# Allegro board RK3576_TEMPLATE_LP4XD200P132SD6_24X34_2133MHz_H1R6_V11_20240529YWQ.brd (continued)
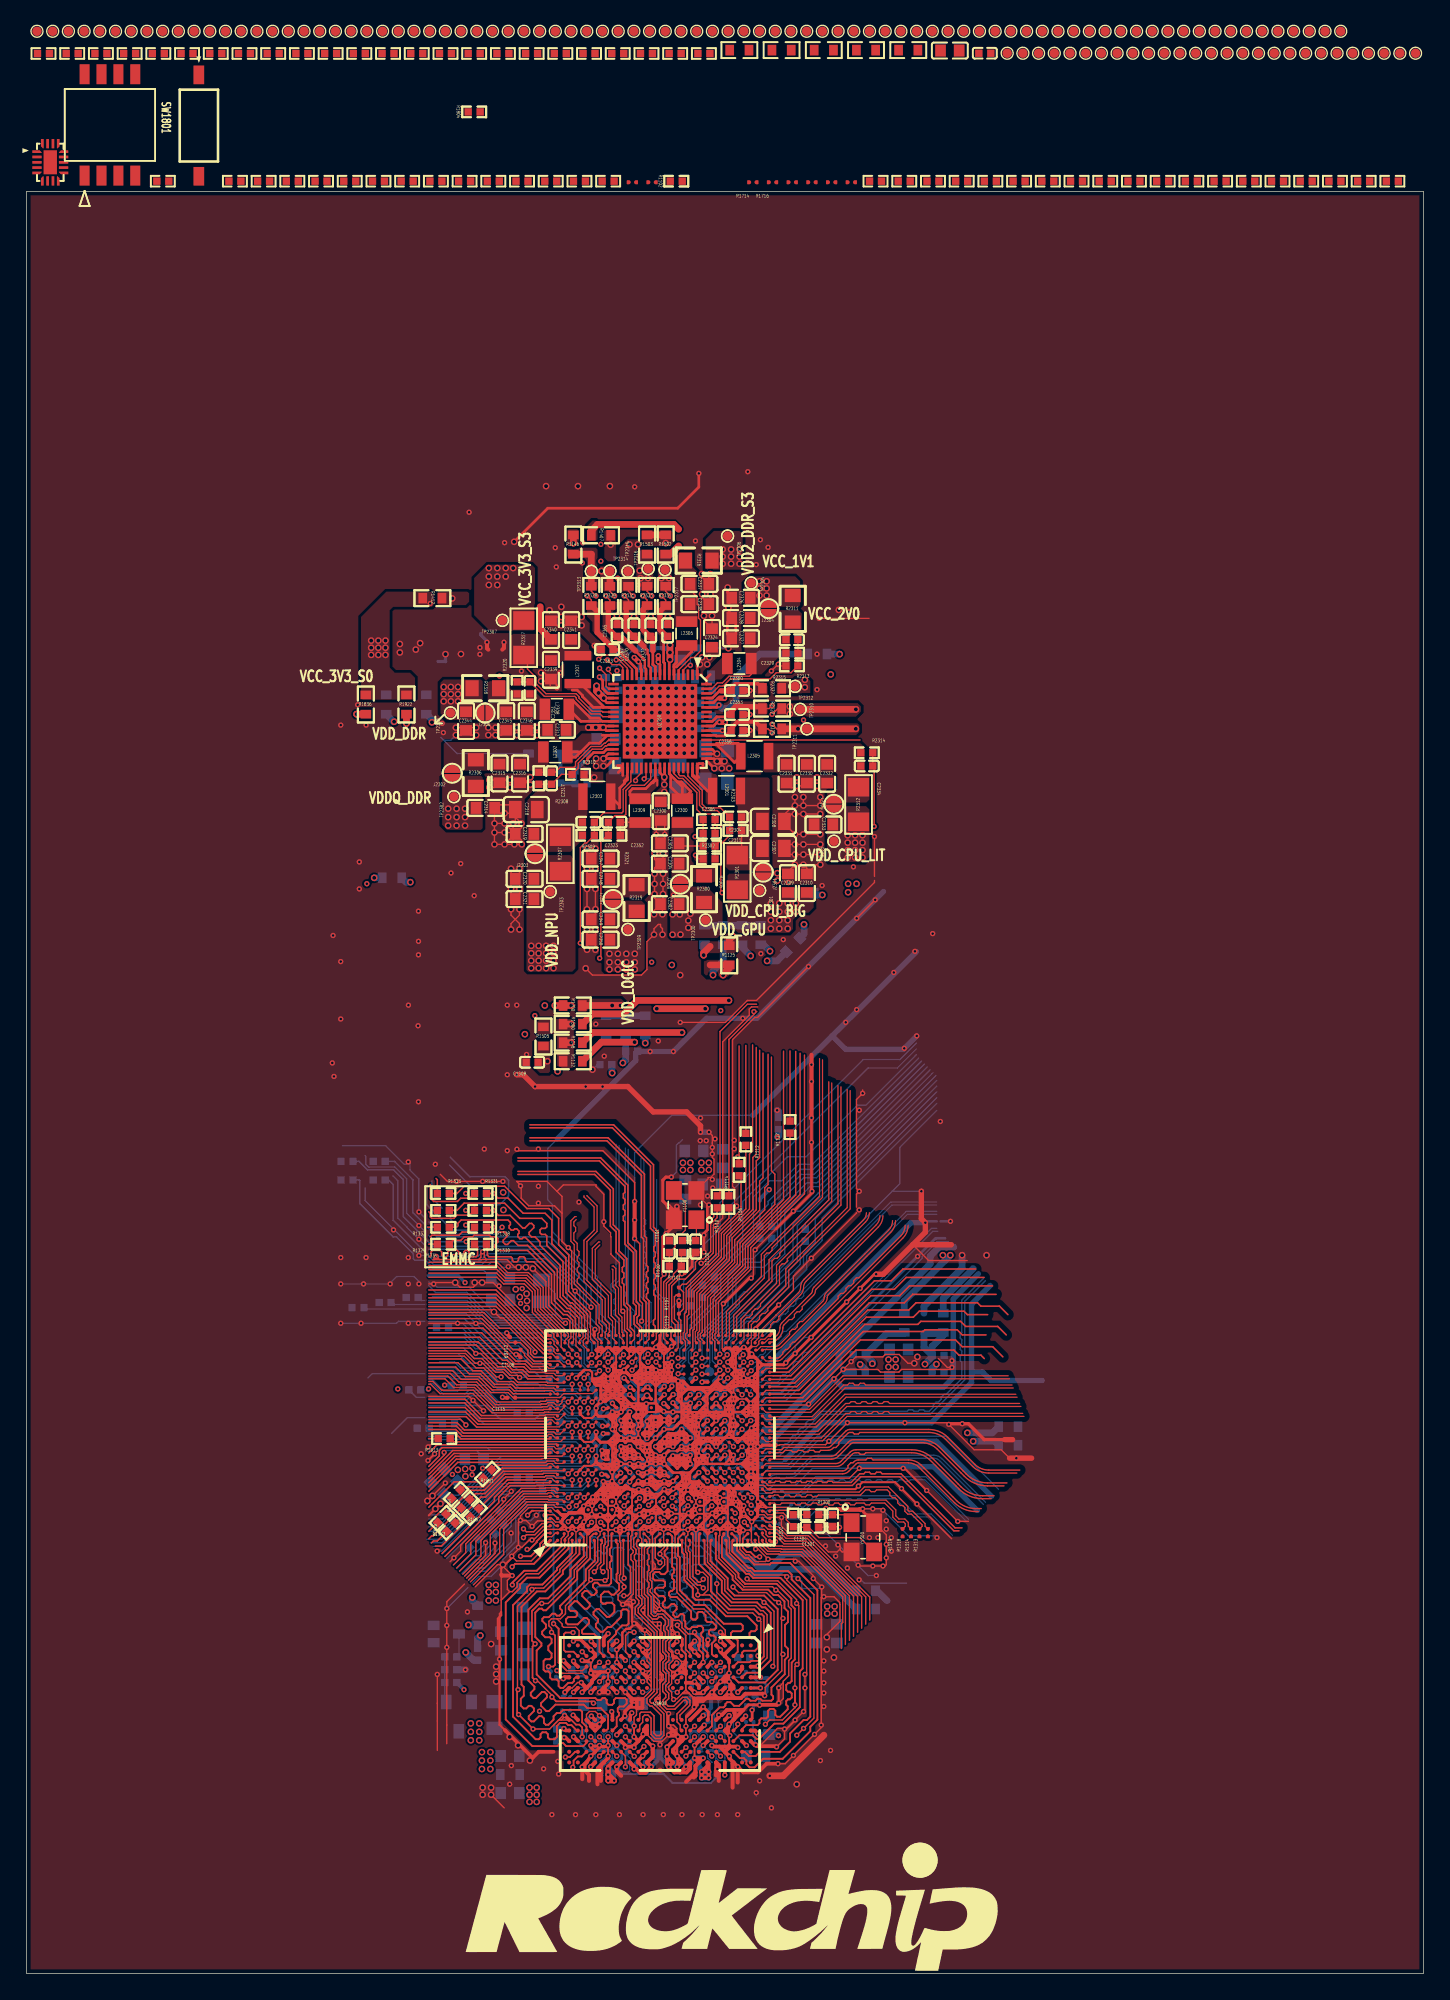
[diagram p0: board, top side]
## Routing (per net, layer and track width the routed paths; a pad name or vN(x,y) marks a point on that pad's centre or on a via; arc(x,y) is an arc through that point) (continued)
VDD_LOGIC_S0_P: length 2.5
  TOP w0.102: R2321.1 C2352.1 46.1,86.55 L2309.2
VDD_NPU_S0: length 84.5
  TOP w0.089: 45.67,40.58 45.67,41.23
  TOP w0.102: v1(41.64,77.46) 41.64,84.65 41.97,84.98 42.11,84.98 R2309.2 C2323.2 43.39,87.25 44.76,87.25 44.86,87.35 44.86,89.02 45.44,89.6 45.44,90.39 45.52,90.48 U2300.37 ; v1(44.7,40.91) v1(44.7,41.56)
  TOP w0.178: 45.08,40.64 45.62,40.64 U1000.2D7 45.67,40.58 ; v1(45.35,41.56) U1000.2D8 45.67,41.23 ; 45.03,40.58 U1000.2C7
  TOP w0.229: 45.32,41.58 45.32,42.18 ; 45.32,41.58 U1000.2C9 ; 45.32,41.58 v1(45.35,41.56) ; 45.32,42.18 v1(45.35,42.21) ; 45.32,42.18 U1000.2C9 ; U1000.2C9 U1000.2C8 ; U1000.2C9 v1(44.7,41.56) U1000.2C8 ; 45.67,40.58 v1(45.35,40.91) ; v1(45.35,40.91) v1(45.35,41.56) ; v1(45.35,40.91) U1000.2C8 ; v1(45.35,40.91) U1000.2C7 ; v1(45.35,40.91) 45.67,41.23 ; v1(45.35,41.56) U1000.2C8 ; U1000.2C8 45.03,40.58 v1(44.7,40.91) U1000.2C8
  L3-POWER w0.089: 44.05,40.26 43.85,40.06 40.77,40.06 ; 44.05,40.26 42.67,40.26 ; 44.05,40.26 v1(44.7,40.91) ; 44.09,43.46 v1(45.35,42.21)
  L3-POWER w0.102: 36.45,47.12 36.7,47.37 36.7,50.48 v2(37.08,50.86) ; 36.45,47.12 36.45,43.83 40.22,40.06 40.77,40.06 ; 36.45,47.12 36.45,47.49 36.46,47.5 ; v1(41.64,77.46) 41.43,77.46 40.97,77.92 37.75,77.92 36.5,76.67 36.5,61.83 36.79,61.55 36.79,53.44 36.6,53.26 36.6,51.61 v2(36.78,51.44)
  L3-POWER w0.229: 45.35,42.21 45.35,42.53 45.21,42.67
  L3-POWER w0.33: v1(44.7,40.91) v1(45.35,40.91) v1(45.35,41.56) 45.35,42.21 v1(45.35,42.21)
  BOTTOM w0.229: v1(44.7,41.56) v1(44.7,40.91)
  BOTTOM w0.254: v1(45.35,40.91) 45.12,41.14 C1035.1 44.93,41.14 v1(44.7,40.91)
  BOTTOM w0.305: C1034.1 44.3,41.81 C1032.1 44.69,41.56 v1(44.7,41.56) ; C1036.1 45.05,42.51 v1(45.35,42.21) 45.14,42 C1033.1 45.14,41.77 v1(45.35,41.56)
  vias: v1(37.14,50.37) v1(37.26,51.49) v2(37.6,51.1) v2(37.63,50.56) v2(37.6,50.03) v2(37.94,77.26) v2(37.94,76.7) v2(37.94,76.14) v2(37.94,75.58) v2(38.5,77.26) v2(38.5,76.7) v2(38.5,76.14) v2(38.5,75.58) v2(39.06,77.26) v2(39.06,76.7) v2(39.06,76.14) v2(39.06,75.58) v2(39.62,77.26) v2(39.62,76.7) v2(39.62,76.14) v2(39.62,75.58)
VDDA0V75_HDMI_S0: length 80.2
  TOP w0.102: R2331.2 45.26,103.92 v1(45.61,103.56)
  TOP w0.229: U1000.2P11 v1(52.5,43.51) ; U1000.2N11 v1(51.85,43.51)
  L4-SIG w0.203: 54.99,44.32 54.61,43.94 52.28,43.94 v1(51.85,43.51)
  L4-SIG w0.508: 54.99,44.32 55.88,45.21 55.88,46.74 ; 51.74,80.26 51.74,85.42 50.9,86.26 50.9,90.06 50.91,90.06 50.91,90.78 51.31,91.19 51.31,96.65 52.14,97.48 52.14,104 51.75,104.39 50.73,104.39 48.45,106.68 47.5,106.68 46.74,107.44 v2(45.97,107.44)
  L4-SIG w0.635: 55.88,46.74 57.74,48.6 57.74,54.74 58.55,55.54 58.55,57.57 57.91,58.21 57.74,58.21 57.74,72.17 52.32,77.58 52.32,79.68 51.74,80.26
  BOTTOM w0.305: v1(51.85,43.51) 51.57,43.23 C1600.1 ; v1(51.85,43.51) 51.85,43.59 52.26,44 C1601.1 52.5,43.83 v1(52.5,43.51) v1(51.85,43.51)
  vias: v2(45.34,107.44)
VDDA0V75_HDMI_S0_P: length 6.9
  TOP w0.102: v1(44.95,103.56) 45.26,103.25 R2331.1
  TOP w0.178: 46.41,99.78 46.69,99.5 46.69,99.2 46.78,99.12 46.78,98.3 46.93,98.15 U2300.11
  TOP w0.406: 46.41,99.78 C2367.1 45.58,100.53 45.09,101.02 45.09,102.67 R2331.1
VDDA_0V75_S0: length 10.6
  TOP w0.102: R2334.2 48.05,103.92 v1(48.41,103.56)
  TOP w0.508: R1148.2 v2(40.95,69.98) ; 49.03,107.32 48.41,106.7 R1502.2 ; R1500.2 v2(40.95,71.37) ; 49.03,108.58 48.67,108.94 42.93,108.94 42.46,108.48 R1407.2
  vias: v2(47.74,104.9) v2(48.29,104.9)
VDDA_0V75_S0_P: length 6.7
  TOP w0.102: v1(47.75,103.56) 48.05,103.25 R2334.1
  TOP w0.203: U2300.8 47.98,98.5 47.9,98.58 47.9,100.22 C2372.1
  TOP w0.406: C2372.1 48.12,100.53 47.63,101.02 47.63,102.41 R2334.1
VDDA_0V85_S0: length 7.9
  TOP w0.102: v1(47.01,103.56) 46.66,103.92 R2333.2
  TOP w0.508: v2(40.95,72.77) R1700.2 v2(39.73,72.77)
  BOTTOM w0.508: v2(69.45,54) 65.99,50.54 R1403.2
  vias: v1(46.02,104.39) v2(38.96,72.77) v2(46.1,105.46) v2(46.16,104.9) v2(46.73,104.9) v2(68.9,54)
VDDA_0V85_S0_P: length 6.6
  TOP w0.102: v1(46.35,103.56) 46.66,103.25 R2333.1
  TOP w0.203: U2300.10 47.27,98.24 47.09,98.42 47.09,99.45
  TOP w0.406: R2333.1 46.36,102.54 46.36,101.02 46.85,100.53 C2370.1 47.09,100.37 47.09,99.45
VDDA_1V2_S0: length 26.9
  TOP w0.102: v1(56.06,93.92) 56.41,93.57 R2325.2
  TOP w0.508: R2325.2 v2(58,93.57) TP2311.1 v2(62.35,93.57)
  L4-SIG w0.508: v2(62.35,93.57) 62.35,91.24 63.34,90.25 ; v2(58.45,78.87) 58.45,81.82 57.15,83.12 57.15,91.31 58,92.16 v2(58,93.57)
  BOTTOM w0.508: v2(58.45,78.87) 58.46,78.86 58.46,78.14 R1504.2
VDDA_1V2_S0_P: length 5.8
  TOP w0.102: v1(56.06,93.26) 55.75,93.57 R2325.1
  TOP w0.203: U2300.57 51.82,93.08 51.86,93.04 52.55,93.04 C2356.1
  TOP w0.305: R2325.1 54.79,94.11 53.47,94.11 52.97,93.61 C2356.1
VDDA_DDR_PLL_S0: length 98.7
  TOP w0.102: v1(44.21,103.56) 43.86,103.92 R2329.2
  TOP w0.229: v1(45.35,37.67) 45.34,37.67 U1000.2C3
  TOP w0.508: R2329.2 TP2314.1 v2(43.22,105.44)
  L4-SIG w0.089: U1000.2C3 44.32,37.98 44.03,38.28 44.39,38.63 44.83,38.63 45.03,38.44 U1000.2C3 ; U1000.2C3 45.14,37.87 45.26,37.87 45.35,37.78 v1(45.35,37.67) 45.34,37.67 45.32,37.68
  L4-SIG w0.102: 44.03,38.28 43.31,38.28 43.03,38.55 39.04,38.55 38.86,38.73
  L4-SIG w0.508: 29.94,41.66 29.34,41.66 26.08,44.91 26.08,62.78 26.75,63.45 26.75,94.43 30.89,98.57 32.89,98.57 33.4,99.08 33.4,100.08 34.46,101.14 36.48,101.14 40.78,105.44 v2(43.22,105.44) ; 38.86,38.73 34.16,38.73 31.24,41.66 30.24,41.66
  BOTTOM w0.305: C1213.1 45.61,37.41 v1(45.35,37.67)
VDDA_DDR_PLL_S0_P: length 7.5
  TOP w0.102: R2329.1 43.86,103.25 v1(43.55,103.56)
  TOP w0.178: 45.78,99.43 46.48,98.73 46.48,98.16 46.57,98.07 U2300.12
  TOP w0.406: R2329.1 43.73,102.71 43.73,101.11 44.31,100.53 C2365.1 44.53,100.39 44.82,100.39 45.78,99.43
VDDQ_DDR_CKE_S3: length 21.3
  TOP w0.229: U1000.2B2 44.67,37.63 v1(44.67,37.63)
  L4-SIG w0.089: 44.13,37.33 44.43,37.63 v1(44.67,37.63) 44.67,37.44 44.35,37.12 44.35,36.87 44.09,36.62 43.69,36.62 43.69,36.85 43.69,37.21 43.81,37.33 44.13,37.33
  L4-SIG w0.178: 37.87,36.7 43.12,36.7 43.21,36.62 43.69,36.62
  L4-SIG w0.508: v2(33.51,28.26) 33.51,32.34 37.87,36.7
  BOTTOM w0.305: C1214.1 44.67,37.67 v1(44.67,37.63)
  BOTTOM w0.508: v2(33.51,28.26) 33.51,28.05 R3809.2
VDDQ_DDR_S0: length 19.3
  TOP w0.102: 47.68,36.73 48.22,36.73 ; U1000.2F1 46.95,36.71 46.35,36.71 U1000.2E1 46.27,36.73 45.73,36.73
  TOP w0.178: 47.3,37.01 47.95,37.01 v1(47.95,37.01) v1(48.6,37.01)
  TOP w0.203: U1000.2F1 46.97,36.69 47.3,37.01 ; U1000.2E1 46.03,36.98 ; v1(48.6,37.01) U1000.2J2
  TOP w0.229: v1(48.6,37.01) U1000.2H1 v1(47.95,37.01) U1000.2G1 ; U1000.2G1 47.3,37.01 ; U1000.2G1 47.32,36.38 47.01,36.68 ; U1000.2G1 47.01,36.68 ; 47.01,36.68 U1000.2F1 v1(46.65,37.01) ; 46.62,36.98 v1(46.65,37.01) ; 46.62,36.98 46.03,36.98 v1(46,37.01) U1000.2D1 ; 46.62,36.98 U1000.2E1 ; v1(46.65,37.01) 47.3,37.01 47.3,37.01 ; v1(46.65,37.01) U1000.2F2 47.3,37.01
  L3-POWER w0.305: v1(48.6,37.01) v1(47.95,37.01) v1(46.65,37.01) v1(46,37.01)
  BOTTOM w0.089: R1201.2 45.53,36.54 v1(46,37.01)
  BOTTOM w0.203: R1200.1 49.02,36.1 49.02,36.7 48.72,37.01 v1(48.6,37.01)
  BOTTOM w0.305: v1(48.6,37.01) 48.55,37.01 C1200.1 47.99,37.01 v1(47.95,37.01) 47.76,36.82 C1203.1 46.84,36.82 v1(46.65,37.01) 46.36,36.72 C1201.1 46.04,37.01 v1(46,37.01)
  vias: v1(25.58,81.93) v2(31.7,87.57) v2(31.7,86.93) v2(31.7,86.3) v2(32.33,87.57) v2(32.33,86.93) v2(32.33,86.3) v2(32.97,87.57) v2(32.97,86.93) v2(32.97,86.3) v2(34.75,29.21) v2(34.75,28.67) v2(34.75,28.03) v2(35.28,29.21) v2(35.28,28.67) v2(35.28,28.03)
VDDQ_DDR_S0_P: length 6.8
  TOP w0.102: R2308.1 C2317.1 39.75,90.3 40.12,90.68 41.17,90.68 41.27,90.78 41.27,91.08 42.44,92.24 43.19,92.24 43.43,92.49 43.52,92.49 43.76,92.73 U2300.30
VDDQ_DRAM_S0: length 90
  TOP w0.254: U3800.W8 v1(42.47,19.34) ; U3800.B5 v1(53.48,21.14)
  TOP w0.279: U3800.B10 v1(54.12,17.14) ; U3800.U3 v1(44.38,22.74) ; v1(42.46,24.97) 42.46,24.95 42.75,24.66 U3800.W1 ; U3800.W5 42.75,21.46 v1(42.43,21.13) ; U3800.D8 v1(52.82,19.39) ; v1(51.53,23.39) U3800.F3 ; v1(52.5,14.91) U3800.D12 ; U3800.AA3 41.13,23.39 v1(41.13,23.48) ; v1(44.37,17.14) U3800.U10 ; U3800.F10 v1(50.88,17.14) ; U3800.D1 v1(52.18,24.99) ; U3800.AA5 v1(41.13,21.14) ; U3800.AA8 v1(41.1,19.42)
  TOP w0.305: v1(54.06,19.35) 54.06,19.33 U3800.B8 ; v1(53.56,22.67) 53.8,22.91 U3800.B3 ; U3800.D5 v1(52.18,21.14) ; U3800.AA10 v1(41.13,17.79) ; U3800.W12 42.42,15.54 v1(42.41,15.54)
  BOTTOM w0.089: 43.81,16.75 44.07,17.01 44.07,17.27 43.88,17.46 ; 43.4,17 43.4,16.92 43.56,16.75 ; 43.4,17 43.15,16.75 ; 43.4,17 43.4,17.27 ; 51.2,22.23 51.35,22.23 51.39,22.26 51.74,22.26 51.85,22.37 ; 51.2,22.23 C3806.1 ; 51.2,22.23 51.2,21.7 51.31,21.59 ; 44.05,16.19 44.05,15.94 44.07,15.92 ; 44.05,16.19 44.05,16.2 ; 44.05,16.19 44.32,15.92 ; 42.56,17.46 42.94,17.46 ; 42.56,17.46 42.56,17.46 ; 42.56,17.46 42.75,17.27 ; 42.56,17.46 42.29,17.46 42.29,17.46 42.08,17.46 ; 42.56,17.46 42.56,17.46 ; 42.94,17.46 42.94,17.46 ; 42.94,17.46 42.75,17.27 ; 43.4,17.65 43.59,17.46 ; 43.4,17.65 43.4,17.92 ; 43.4,17.65 43.4,17.65 ; 43.59,17.46 43.59,17.46 43.21,17.46 ; 43.59,17.46 43.59,17.46 ; 50.4,17.46 50.55,17.62 ; 50.4,17.46 50.55,17.46 ; 50.4,17.46 50.09,17.46 49.9,17.65 49.9,18.02 ; 50.55,17.62 50.55,17.92 ; 50.55,17.62 50.55,17.46 ; 43.4,17.92 43.64,18.16 43.81,18.16 44.05,17.93 ; 43.4,17.92 43.4,17.94 43.18,18.16 ; 43.4,21.68 43.31,21.59 ; 43.4,21.68 43.62,21.46 ; 43.4,21.68 43.4,21.49 43.43,21.46 ; 43.4,21.68 43.4,22.4 ; 43.31,21.59 43.18,21.46 ; 43.31,21.59 42.88,21.59 42.8,21.51 ; 43.31,21.59 43.9,21.59 ; 43.77,15.92 43.33,15.48 43.33,15.11 ; 43.77,15.92 44.05,16.2 ; 43.77,15.92 43.81,15.92 ; 44.05,17.46 43.88,17.46 ; 44.05,17.46 44.05,17.65 ; 44.05,17.46 v1(44.37,17.14) ; 43.88,17.46 43.86,17.46 ; 42.75,17.65 42.75,17.65 42.94,17.46 ; 42.75,17.65 42.75,17.27 ; 42.75,17.65 42.75,18.32 ; 42.75,17.65 42.56,17.46 ; 51.85,16.2 51.82,16.17 51.82,16 ; 51.85,16.2 51.85,16.2 52.05,16 52.41,16 52.5,15.91 52.5,16.2 52.5,16.2 52.5,16.47 52.5,16.47 U3800.D8 v1(52.83,19.39) 53.15,19.06 53.15,18.11 53.76,17.5 ; 51.85,16.2 51.85,17.4 ; 43.4,17.65 43.21,17.46 ; 43.4,17.65 43.4,17.27 ; 43.21,17.46 43.4,17.27 ; 43.21,17.46 42.94,17.46 ; 42.75,16.18 42.75,16.18 42.75,16.47 42.75,16.47 42.75,16.5 ; 42.75,16.18 42.75,15.97 ; 42.75,16.18 42.86,16.07 42.86,15.94 42.84,15.92 C3818.1 ; U3800.F10 51.66,17.46 51.72,17.4 51.85,17.4 ; U3800.F10 51.2,17.93 50.93,18.2 ; U3800.F10 v1(50.88,17.14) ; 42.75,16.97 42.75,16.5 ; 42.75,16.97 42.97,16.75 ; 42.75,16.97 42.75,17 42.75,17 ; 42.75,16.5 42.75,16.51 42.75,16.53 ; 44.05,21.74 44.05,22.08 ; 44.05,21.74 43.9,21.59 ; 44.05,21.74 44.05,21.57 43.94,21.46 43.78,21.46 ; 44.05,22.08 44.38,22.4 v1(44.38,22.74) 44.05,22.41 44.05,22.08 ; 43.4,17.27 43.59,17.46 ; 51.85,18.32 51.82,18.29 51.82,17.95 51.85,17.92 51.85,17.4 ; 42.75,17.27 42.75,17 ; 42.08,17.46 42.08,17.63 42.1,17.65 42.1,18.08 42.11,18.09 42.11,18.32 ; 42.08,17.46 41.45,17.46 ; 43.62,21.46 43.78,21.46 43.78,21.46 ; 43.62,21.46 43.43,21.46 ; 52.45,22.35 52.5,22.4 ; 52.5,22.4 52.5,22.87 52.31,23.06 52,23.06 51.78,23.27 ; 52.5,22.4 U3800.D5 ; 43.59,17.46 43.75,17.46 43.75,17.46 43.86,17.46 ; 42.8,21.46 43.18,21.46 ; 43.18,21.46 43.43,21.46 ; 50.55,17.46 v1(50.88,17.14) ; 43.9,21.59 43.78,21.46 ; 51.85,22.37 51.85,21.73 ; 51.85,22.37 51.85,22.72 51.53,23.05 51.53,23.27 ; 51.85,21.73 51.85,21.46 ; 51.85,21.73 51.71,21.59 51.31,21.59 ; 51.85,21.46 51.94,21.37 ; 51.85,21.46 51.44,21.46 51.31,21.59 ; 44.05,17.93 44.05,18.31 44.04,18.32 ; 44.05,17.93 44.05,17.8 44.05,17.65 ; 50.55,17.92 50.27,18.2 ; 50.55,17.92 50.55,17.92 50.83,18.2 ; 44.05,17.65 43.86,17.46 ; 44.05,16.2 44.05,16.7 43.99,16.75 ; 42.75,16.53 42.97,16.75 ; 42.75,16.53 42.75,16.53 42.53,16.75 42.75,16.98 42.75,17 ; 50.86,16.66 50.79,16.66 ; 52.58,22.23 52.61,22.26 52.96,22.26 52.96,22.26 53.25,22.26 ; v1(50.88,17.14) 51.2,16.81 51.2,16.2 51.49,15.91
  BOTTOM w0.102: 51.53,23.27 v1(51.53,23.39) 51.67,23.39 51.78,23.27 ; C3808.1 42.11,18.92 42.11,18.32 ; 51.71,19.29 51.8,19.21 51.8,18.5 51.85,18.44 51.85,18.32 ; 51.71,19.29 51.71,18.39 ; 51.71,19.29 51.71,19.66 ; 43.18,14.73 43.33,14.88 43.33,15.11 ; C3814.1 50.76,16.66 50.79,16.69 50.79,17.05 v1(50.88,17.14) ; 51.71,19.66 52.02,19.97 C3816.1 ; 51.71,19.66 51.6,19.55 51.6,18.32 ; v1(41.13,21.14) 41.48,21.49 42.07,21.49 v1(42.43,21.13) 42.75,21.46 ; v1(52.5,14.91) 52.5,15.91 ; 53.25,22.26 53.65,22.26 53.65,22.26 54.13,22.74 ; 43.94,18.41 44.04,18.32 ; v1(52.18,21.14) 51.94,21.37 ; 51.49,15.91 51.53,15.88 51.56,15.88 ; 42.75,21.46 42.8,21.46 ; 42.75,21.46 42.8,21.51 ; v1(54.12,17.14) 53.76,17.5
  BOTTOM w0.191: 52.45,16.76 52.08,16.76 52.03,16.71 52.02,16.71 51.85,16.54 51.68,16.71 51.64,16.71 51.59,16.76 51.37,16.76 51.37,16.76 51.2,16.76
  BOTTOM w0.203: v1(53.48,21.14) 53.06,21.55 52.59,21.55 U3800.D5 v1(52.18,21.14) ; v1(42.43,21.13) 42.43,21.85 ; 42.43,21.85 42.93,22.35 43.31,22.35 C3810.1 43.44,22.35 43.88,22.35 44.26,22.74 v1(44.38,22.74) ; 42.43,21.85 41.93,22.35 41.48,22.35 C3805.1 ; v1(41.13,17.79) 42.16,16.75 43.99,16.75 v1(44.37,17.14) 44.37,16.97 44.76,16.58 44.76,16.14 44.53,15.92 43.81,15.92 ; 52.58,22.23 52.45,22.35 51.83,22.35 ; 52.5,18.03 52.33,18.2 50.08,18.2 49.9,18.02 ; 52.5,16.82 52.45,16.76
  BOTTOM w0.254: v1(42.46,24.97) 42.27,25.17 C3807.1
  BOTTOM w0.305: 50.79,17.05 50.54,16.8 C3814.1 ; C3808.1 42.12,19 v1(42.47,19.34) ; C3815.1 44.63,17.39 v1(44.37,17.14)
BT_REG_ON_H: length 0.6
  BOTTOM w0.102: 30.24,48.51 30.78,48.51 R1819.2
BT_WAKE_HOST_H: length 30.4
  BOTTOM w0.102: R1120.2 49.04,50.04 49.4,50.4 49.4,52.07 50.16,52.83 50.16,54.02 52.14,56 52.14,57.94 62.9,68.71 65.68,68.71 66.91,69.94
DDR_PLL_AVDD1V8: length 22.2
  TOP w0.229: v1(45.35,36.96) 45.36,36.96 45.36,37.01 U1000.2D2
  L4-SIG w0.229: 40.13,36.2 40.14,36.21 44.84,36.21 45.35,36.71 v1(45.35,36.96)
  L4-SIG w0.508: v2(34.12,25.4) 34.12,30.18 35.87,31.94 35.87,33.82 38.23,36.17 38.23,36.2 40.13,36.2
  BOTTOM w0.305: v1(45.35,36.96) 45.34,36.96 C1212.1
  BOTTOM w0.508: R1202.2 33.91,25.2 v2(34.12,25.4)
DDR_PLL_AVSS: length 2.1
  TOP w0.229: U1000.2C2 v1(44.68,36.98)
  BOTTOM w0.305: R1203.1 C1212.2 44.39,36.7 v1(44.68,36.98) 45.02,37.33 C1213.2
DP_TX_AUXN: length 21.6
  TOP w0.107: U1000.2T3 v1(53.8,37.66)
  BOTTOM w0.098: v1(53.8,37.66) 54.13,37.33 54.13,36.9 54.29,36.75 55.23,36.75 arc(55.35,36.78) 55.45,36.84 55.93,37.32 arc(56.14,37.46) 56.39,37.51 57.47,37.51 arc(57.62,37.54) 57.75,37.63 58.76,38.65 arc(59.11,38.88) 59.52,38.96 68.2,38.96 arc(68.53,38.9) 68.8,38.71 72.1,35.42
DP_TX_AUXP: length 21.2
  TOP w0.107: U1000.2T2 v1(53.8,37.01)
  BOTTOM w0.098: v1(53.8,37.01) 53.8,36.92 54.19,36.53 55.23,36.53 arc(55.43,36.57) 55.61,36.68 56.09,37.17 arc(56.23,37.26) 56.39,37.29 56.58,37.29 56.7,37.17 57,37.17 57.12,37.29 57.47,37.29 arc(57.7,37.34) 57.91,37.47 58.92,38.49 arc(59.2,38.67) 59.52,38.74 68.2,38.74 arc(68.44,38.69) 68.65,38.55 71.94,35.26
EMMC_D0: length 4
  TOP w0.114: R1328.2 33.32,57.01 32.37,57.01 32.13,56.77 30.47,56.77 30.35,56.88 30.35,57.15 30.24,57.26
EMMC_D1: length 0.7
  TOP w0.114: 30.17,56.1 R1329.2
EMMC_D2: length 3.6
  TOP w0.114: 30.35,55.37 30.48,55.5 32.51,55.5 32.75,55.74 33.32,55.74 R1330.2
EMMC_D3: length 4.7
  TOP w0.114: R1331.2 33.32,58.28 32.64,58.28 32.4,58.04 30.61,58.04 30.35,58.29 30.35,59.31
EMMC_D4: length 0.2
  TOP w0.114: 30.64,57.37 R1332.2
EMMC_D5: length 1.2
  TOP w0.114: 30.79,59.76 30.89,59.67 R1333.2
EMMC_D6: length 0.6
  TOP w0.114: R1334.2 30.24,54.83
EMMC_D7: length 6.4
  TOP w0.114: R1335.2 33.91,54.6 33.91,53.99 33.79,53.88 33.38,53.88 33.27,53.99 33.27,54.24 33.16,54.36 32.99,54.36 32.88,54.24 32.88,54.1 32.77,53.99 32.63,53.99 32.51,54.1 32.51,54.23 32.38,54.36 31.78,54.36 31.67,54.24 31.67,53.99 31.55,53.88 31.32,53.88 31.21,53.99 31.21,54.24 31.1,54.36 30.53,54.36 30.41,54.24 30.41,53.99 30.3,53.88
FSPI0_CLK/EMMC_CLK: length 24.7
  BOTTOM w0.114: R1310.2 42.89,47.66 41.6,48.95 41.6,51.45 38.95,54.1 34.65,54.1 34.09,53.55 30.64,53.55 27.56,56.63 27.56,59.31 27.22,59.65 R1337.1
FSPI0_CSN0/EMMC_RSTN: length 27.3
  TOP w0.114: U1000.1D23 v1(42.5,46.53)
  BOTTOM w0.114: R1339.1 25.01,59.65 25.06,59.6 25.06,57.87 27.56,55.37 27.81,55.37 29.08,54.1 29.08,53.73 29.2,53.62 29.98,53.62 30.52,53.07 34.53,53.07 34.96,53.5 38.83,53.5 40.64,51.69 40.64,50.67 40.89,50.42 40.89,48.99 42.5,47.39 v1(42.5,46.53)
FSPI0_D0/EMMC_D0: length 15.8
  TOP w0.089: 41.74,49.28 41.74,48.26 41.84,48.16 41.84,47.85 41.57,47.58 U1000.E28
  TOP w0.114: 41.74,49.28 41.74,49.38 40.92,50.2 40.77,50.2 40.12,50.85 40.12,53.23 38.61,54.74 38.61,54.99 38.23,55.37 37.97,55.37 37.79,55.56 37.79,55.72 38.14,56.06 38.14,56.23 37.97,56.39 37.81,56.39 37.47,56.04 37.3,56.04 36.36,56.99 35.47,56.99 v1(35.09,57.37) R1328.1
  BOTTOM w0.114: R1328.1 v1(35.09,57.37)
FSPI0_D1/EMMC_D1: length 17.4
  TOP w0.089: 41.53,49.28 41.53,48.01 U1000.E29
  TOP w0.114: R1329.1 32.13,56.1 v1(32.3,56.26) 32.68,56.64 36.19,56.64 36.38,56.46 36.38,56.3 36.28,56.21 36.28,56.04 36.45,55.88 36.61,55.88 36.7,55.98 36.86,55.98 37.02,55.81 37.02,55.65 36.93,55.56 36.93,55.4 37.09,55.24 37.25,55.24 37.35,55.33 37.51,55.33 39.9,52.93 39.9,50.74 40.65,49.99 40.83,49.99 41.39,49.43 41.39,49.42 41.53,49.28
  BOTTOM w0.114: v1(32.3,56.26) 31.88,56.68 31.88,56.9
FSPI0_D2/EMMC_D2: length 15
  TOP w0.089: U1000.1C24 41.31,47.18 41.31,48.07 41.33,48.09 41.33,48.48
  TOP w0.102: 41.33,48.48 41.27,48.54
  TOP w0.114: R1330.1 v1(35.09,56.1) 35.09,55.85 35.21,55.74 35.95,55.74 36.12,55.57 36.12,55.41 35.84,55.13 35.84,54.97 36,54.8 36.16,54.8 36.44,55.09 36.61,55.09 36.96,54.74 37.67,54.74 39.69,52.72 39.69,50.56 40.48,49.77 40.73,49.77 41.27,49.22 41.27,48.54
  BOTTOM w0.114: R1330.1 v1(35.09,56.1)
FSPI0_D3/EMMC_D3: length 16.7
  TOP w0.089: U1000.F28 42.22,47.5 42.22,48.42 42.17,48.46 42.17,48.89
  TOP w0.102: 42.17,48.89 42.17,49.27
  TOP w0.114: R1331.1 v1(35.09,58.64) 35.44,58.29 36.19,58.29 37.34,57.15 38.99,57.15 39.5,56.64 39.5,54.86 40.55,53.81 40.55,51.18 42.17,49.56 42.17,49.27
  BOTTOM w0.114: R1331.1 v1(35.09,58.64)
GMAC0_RSTN: length 12.3
  TOP w0.102: U1000.1C18 v1(41.33,42.96)
  BOTTOM w0.102: v1(41.33,42.96) 40.98,43.31 40.51,43.31
  BOTTOM w0.114: 40.51,43.31 36.83,43.31 36.2,43.94 35.43,43.94 34.67,44.7 32.01,44.7 31.88,44.83 30.24,44.83
GMAC0_RXCLK_M0: length 11.2
  TOP w0.089: 39.02,39.53 39.11,39.62 39.64,39.62 39.81,39.44 40.21,39.44 U1000.1A12
  TOP w0.114: 30.24,38.12 31.04,38.91 31.04,39.32 31.25,39.53 39.02,39.53
GMAC0_RXCTL_M0: length 10.6
  TOP w0.089: U1000.B13 39.75,39.16 39.49,39.43 39.22,39.43 39.1,39.31 38.93,39.31
  TOP w0.114: 30.24,37.51 32.04,39.31 38.93,39.31
GMAC0_RXD0_M0: length 9.9
  TOP w0.114: 30.24,37.2 32.13,39.1 39.31,39.1 U1000.A13
GMAC0_RXD1_M0: length 11.1
  TOP w0.089: 38.67,38.88 38.68,38.89 40.26,38.89 U1000.1A11
  TOP w0.114: 30.24,36.9 32.22,38.88 38.67,38.88
GMAC0_RXD2_M0: length 10.6
  TOP w0.089: 38.73,38.66 38.77,38.7 39.83,38.7 U1000.B12
  TOP w0.114: 30.24,36.59 32.31,38.66 38.73,38.66
GMAC0_RXD3_M0: length 11.2
  TOP w0.089: 39.03,38.42 39.12,38.52 39.64,38.52 39.81,38.34 40.31,38.34 U1000.1A10
  TOP w0.114: 39.03,38.42 32.42,38.42 30.24,36.25
GMAC0_TXCLK_M0: length 5
  TOP w0.114: 30.24,35.05 32.15,36.96 34.05,36.96 R1931.2
GMAC0_TXCTL_M0: length 2.6
  TOP w0.114: 30.24,33.85 31.97,35.58 R1928.2
GMAC0_TXD0_M0: length 0.9
  TOP w0.114: R1930.2 30.24,33.24
GMAC0_TXD1_M0: length 3.4
  TOP w0.114: R1929.2 31.73,34.04 30.58,32.89 30.45,32.89 30.24,32.68
GMAC0_TXD2_M0: length 1.5
  TOP w0.114: R1933.2 30.88,32.51 30.59,32.51 30.44,32.36
GMAC0_TXD3_M0: length 3.5
  TOP w0.114: R1932.2 31.18,32.13 30.73,32.13
GMAC1_MDIO_M0: length 1.1
  BOTTOM w0.114: 30.24,41.53 31.06,41.53 R1921.2
GMAC1_RSTN: length 11.2
  TOP w0.089: U1000.1A19 40.41,43.84 39.81,43.84 39.64,44.02 38.89,44.02
  TOP w0.102: 38.1,44.02 38.89,44.02
  TOP w0.114: 38.1,44.02 36.76,44.02 36.49,44.28 35.19,44.28 34.17,45.31 33.56,45.31 32.67,46.2 30.24,46.2
GMAC1_RXCLK_M0: length 13.1
  TOP w0.102: U1000.1D15 v1(41.93,41.16)
  BOTTOM w0.114: 30.24,42.7 34.59,42.7 35.62,41.66 38.23,41.66 38.61,42.04 40.31,42.04 40.61,41.73 41.35,41.73 v1(41.93,41.16)
GMAC1_RXCTL_M0: length 10.3
  TOP w0.089: U1000.B18 39.83,42 39.03,42 38.96,41.94
  TOP w0.114: 30.24,43.18 32.96,43.18 34.19,41.94 38.96,41.94
GMAC1_RXD0_M0: length 11
  TOP w0.089: U1000.1A16 40.42,42.03 40.04,41.64 39.81,41.64 39.64,41.82 39.12,41.82 39.03,41.72
  TOP w0.114: 39.03,41.72 34.1,41.72 32.94,42.89 30.24,42.89
GMAC1_RXD1_M0: length 10.3
  TOP w0.089: 39.1,41.51 39.22,41.63 39.49,41.63 39.75,41.36 U1000.B17
  TOP w0.114: 30.24,42.55 32.97,42.55 34.01,41.51 39.1,41.51
GMAC1_RXD2_M0: length 9.5
  TOP w0.114: 30.24,42.2 33.01,42.2 33.93,41.29 39.31,41.29 U1000.A17
GMAC1_RXD3_M0: length 10.7
  TOP w0.089: 38.97,41.07 38.99,41.09 40.06,41.09 U1000.1A15
  TOP w0.114: 30.24,41.86 33.05,41.86 33.84,41.07 38.97,41.07
GMAC1_TXCLK_M0: length 9.4
  BOTTOM w0.114: R1914.2 39.03,41.27 34.42,41.27 33.66,42.04 30.24,42.04
GMAC1_TXD3_M0: length 0.7
  TOP w0.114: 30.23,40.21 R1913.2
GPIO0_A0_D: length 11.6
  TOP w0.102: R1110.1 51.92,56.82 51.44,56.34 51.44,54.27 50.89,53.72 50.55,53.72 50.29,53.47 50.29,52.96 49.53,52.2 49.02,52.2 48.51,51.68 48.51,49.03 48.77,48.77 48.77,48 U1000.V29
GPIO0_A2_D: length 30.4
  TOP w0.102: U1000.1U23 v1(50.32,46.56)
  BOTTOM w0.102: v1(50.32,46.56) 50.55,46.78 50.55,47.72 53.09,50.26 53.09,52.45 54.1,53.47 55.18,53.47 56.45,54.74 56.45,57.84 58.43,59.82 59.39,59.82 67.73,68.16
GPIO0_A3_D: length 16.8
  TOP w0.089: U1000.Y28 49.82,47.5 49.56,47.77 49.56,48.07 49.67,48.18 49.67,48.43
  TOP w0.102: 49.67,48.43 49.67,49.41 49.79,49.54 49.79,51.43 52.24,53.87 52.24,55.64 54.08,57.48 R1112.1
GPIO0_A4_D: length 15.1
  TOP w0.089: 49.47,48.35 49.47,48.24 49.37,48.15 49.37,47.69 49.54,47.52 49.54,46.98 U1000.1T24
  TOP w0.102: R1114.1 53.72,59.82 53.72,57.66 53.72,57.66 53.72,57.4 52.04,55.72 52.04,53.96 49.59,51.52 49.59,49.72 49.47,49.59 49.47,48.35
GPIO0_A5_D: length 23.8
  TOP w0.102: 54.59,69.81 54.59,61.83 54.36,61.59 54.36,57.47 52.44,55.55 52.44,53.79 50,51.35 50,48.52 49.87,48.39 49.87,48 U1000.Y29
GPIO0_A6_U: length 8
  TOP w0.102: v1(48.99,45.08) 49.01,45.06 U1000.1T21
  BOTTOM w0.102: R1116.1 51.71,50.57 49.89,48.74 49.89,47.16 49.56,46.83 49.56,46.08 49.32,45.84 49.32,45.42 v1(48.99,45.08)
GPIO0_A7_U: length 13
  TOP w0.102: U1000.1U21 v1(50.32,45.36)
  BOTTOM w0.102: v1(50.32,45.36) 50.32,45.38 49.77,45.94 49.77,46.75 50.09,47.07 50.09,48.55 52.2,50.65 52.2,52.7 54.76,55.27 R1117.1
GPIO0_B0_Z: length 12.8
  TOP w0.102: U1000.1U22 v1(50.32,45.96)
  BOTTOM w0.102: R1118.1 56.03,55.14 54.61,53.72 53.98,53.72 52.74,52.49 52.74,50.2 50.29,47.75 50.29,46.99 49.97,46.67 49.97,46.32 v1(50.32,45.96)
GPIO0_B1_Z: length 1.7
  TOP w0.102: v1(48.52,46.56) 48.5,46.53 48.5,46.53 U1000.1P23
  BOTTOM w0.102: R1120.1 48.91,47.52 48.91,46.94 48.52,46.56 v1(48.52,46.56)
GPIO0_B2_Z: length 6.4
  TOP w0.102: v1(48.99,45.66) U1000.1T22
  BOTTOM w0.102: R1122.1 50.82,50.26 49.68,49.12 49.68,47.24 49.36,46.91 49.36,46.16 48.99,45.79 v1(48.99,45.66)
GPIO0_B3_Z: length 4.8
  TOP w0.102: v1(48.99,46.26) U1000.1T23
  BOTTOM w0.102: R1123.1 49.48,49.74 49.48,47.32 49.11,46.95 49.11,46.38 v1(48.99,46.26)
GPIO0_B4_D: length 24.5
  TOP w0.089: 51.82,48.43 51.82,48.14 51.76,48.07 51.76,47.77 52.02,47.5 U1000.AD28
  TOP w0.102: 51.82,48.43 51.82,50.6 54.25,53.02 54.25,54.66 58.16,58.57 58.16,69.18
GPIO0_B7_D: length 24.9
  TOP w0.089: U1000.1W24 51.19,46.89 51.19,48.37 51.2,48.38
  TOP w0.102: 51.2,48.38 51.2,50.83 53.64,53.27 53.64,54.91 56.92,58.18 56.92,69.33
GPIO0_C0_D: length 23.2
  TOP w0.102: U1000.AB29 51,48.03 51,50.92 53.44,53.36 53.44,54.99 56.26,57.81 56.26,60.09 56.01,60.34 56.01,68.89
GPIO0_C7_D: length 11.8
  TOP w0.102: U1000.1Y23 v1(52.12,46.56)
  BOTTOM w0.102: v1(52.12,46.56) 52.12,47.57 54.03,49.47 54.34,49.47 58.17,53.3 58.17,54.67 R1109.1
GPIO0_D1_D: length 18.3
  TOP w0.089: U1000.AC28 51.38,47.5 51.38,48.23 51.42,48.28
  TOP w0.102: 51.42,48.28 51.42,50.77 53.84,53.19 53.84,54.83 57.4,58.38 R1137.1
GPIO0_D3_D: length 26.7
  TOP w0.102: v1(52.68,46.51) 52.68,46.51 U1000.1AA23
  BOTTOM w0.102: v1(52.68,46.51) 52.46,46.74 52.46,47.62 54.11,49.27 54.56,49.27 58.42,53.12 58.42,54.1 59.31,54.99 59.31,56.72 68.44,65.85
GPIO1_A4: length 20
  TOP w0.089: 41.96,48.35 42.03,48.28 42.03,47.77 41.86,47.6 41.86,47.23 U1000.1D24
  TOP w0.102: 41.96,48.35 41.96,49.28
  TOP w0.114: R1332.1 32.36,57.37 32.9,57.91 35.94,57.91 37.08,56.77 38.73,56.77 39.12,56.39 39.12,56.13 39,56.02 38.72,56.02 38.61,55.9 38.61,55.67 38.72,55.56 39,55.56 39.12,55.44 39.12,54.74 40.34,53.52 40.34,50.96 40.88,50.42 41.01,50.42 41.96,49.47 41.96,49.28
GPIO1_A5: length 19.9
  TOP w0.089: U1000.G28 42.41,47.68 42.41,48.55 42.39,48.58
  TOP w0.114: R1333.1 32.36,58.64 32.9,59.18 35.95,59.18 37.63,57.5 39.27,57.5 40.01,56.77 40.01,54.79 40.77,54.02 40.77,51.29 42.39,49.67 42.39,48.58
GPIO1_A6: length 15.9
  TOP w0.089: U1000.D28 41.12,47.5 41.12,48.4
  TOP w0.102: 41.12,48.4 41.07,48.45 41.07,49.11 40.9,49.28
  TOP w0.114: R1334.1 32.07,55.11 32.64,55.11 32.9,55.37 33.53,55.37 33.66,55.5 34.8,55.5 34.92,55.37 35.32,55.37 35.43,55.26 35.43,54.99 35.2,54.76 35.2,54.59 35.43,54.36 37.67,54.36 39.47,52.55 39.47,50.42 40.36,49.53 40.65,49.53 40.9,49.28
